# KiCad board pcb.kicad_pcb
title: Archer mainboard; date: 2021-05-05; rev: R0.1 draft; company: Copyright EI-2030 2021. / Engineer: Wenting Zhang; note: MERCHANTABILITY, SATISFACTORY QUALITY AND FITNESS FOR A PARTICULAR PURPOSE.; note: This source is distributed WITHOUT ANY EXPRESS OR IMPLIED WARRANTY, INCLUDING OF; note: This source describes Open Hardware and is licensed under the CERN-OHL-S v2.
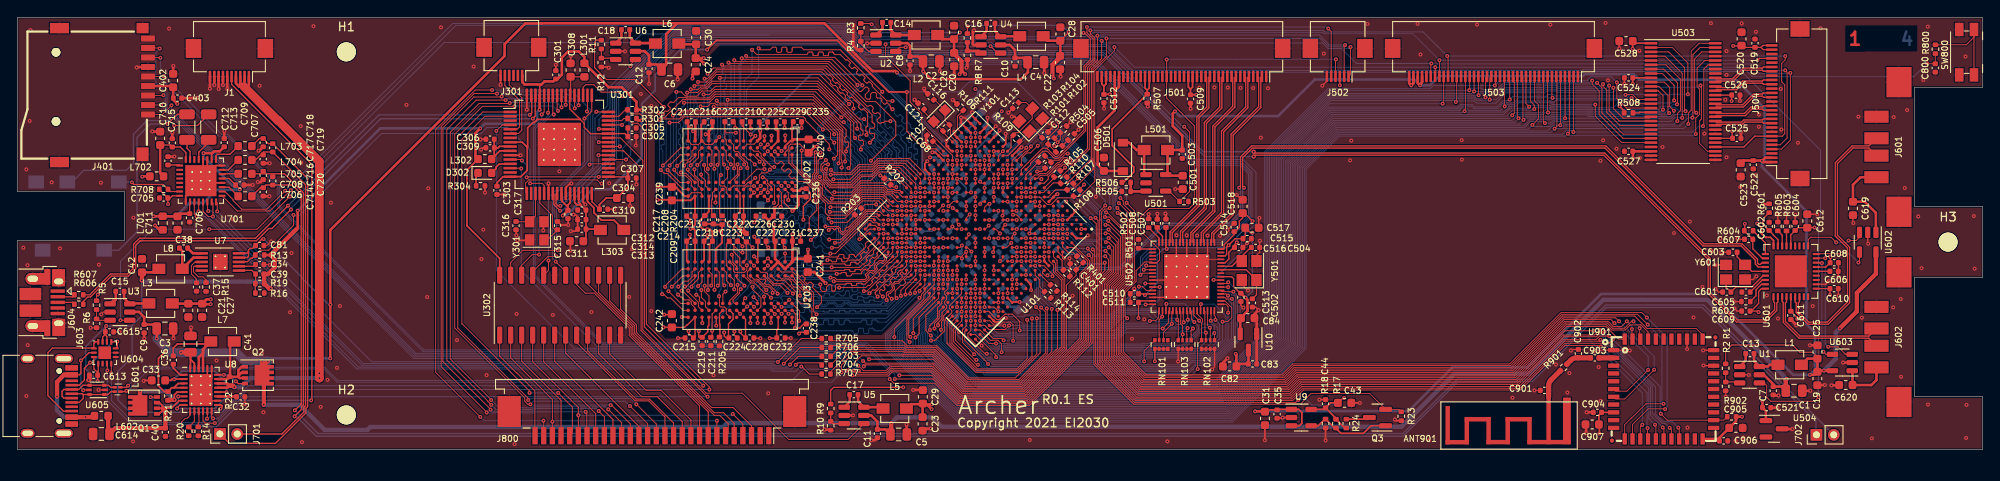
[diagram p0: board, top side]
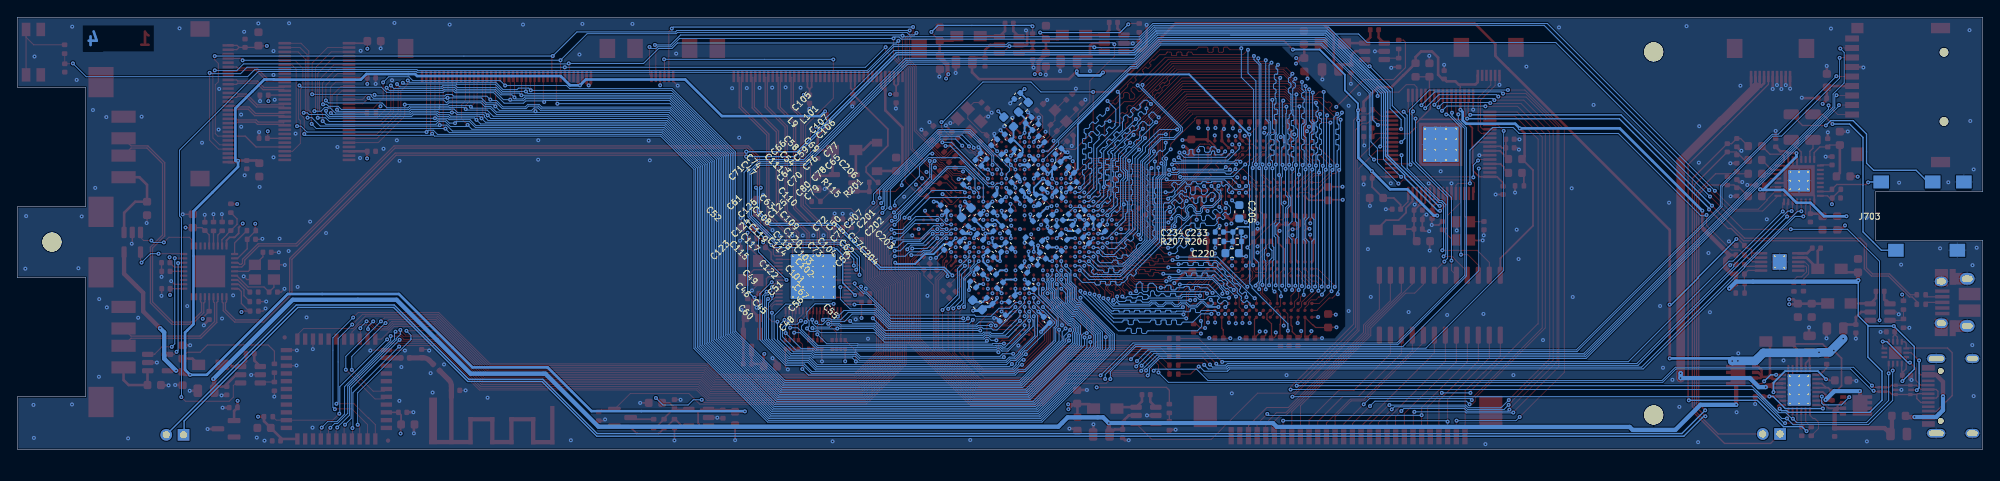
[diagram p1: board, bottom side, seen from below]

Outline 227 x 50 mm; copper layers: Top, In1.Cu (plane), In2.Cu, Bottom. Coordinates in mm from the lower left corner of the outline.
Outline path: 0,29.82 0,50 227,50 227,41.9 219.1,41.9 219.1,28.1 227,28.1 227,19.9 219.1,19.9 219.1,6.1 227,6.1 227,0 0,0 0,24.21 12.4,24.21 12.4,29.82 0,29.82
Stack: Top 0.035mm / dielectric 0.11mm FR4 er 4.2 / In1.Cu 0.035mm / dielectric 1.13mm FR4 er 4.2 / In2.Cu 0.035mm / dielectric 0.11mm FR4 er 4.2 / Bottom 0.035mm

## Placement (name value [footprint] x y rotation side)
ANT901  PCB_WIFI_ANT  [bt_antenna_1ant_2gnd]  180.17 5.51 180 top
C1  4.7uF/25V  [C_0805_2012Metric]  205.21 6.8 180 top
C2  4.7uF/25V  [C_0805_2012Metric]  105.56 44.9 180 top
C3  4.7uF/25V  [C_0805_2012Metric]  17.05 14 180 top
C4  4.7uF/25V  [C_0805_2012Metric]  117.64 44.81 180 top
C5  4.7uF/25V  [C_0805_2012Metric]  101.79 1.74 180 top
C6  4.7uF/25V  [C_0805_2012Metric]  75.35 43.96 180 top
C7  100nF  [C_0402_1005Metric]  202.81 6.8 90 top
C8  100nF  [C_0402_1005Metric]  103.11 44.98 90 top
C9  100nF  [C_0402_1005Metric]  14.65 13.98 90 top
C10  100nF  [C_0402_1005Metric]  115.24 44.83 90 top
C11  100nF  [C_0402_1005Metric]  99.34 1.84 90 top
C12  100nF  [C_0402_1005Metric]  72.95 44.06 90 top
C13  100nF  [C_0402_1005Metric]  200.11 11.1 180 top
C14  100nF  [C_0402_1005Metric]  100.41 49.4 180 top
C15  100nF  [C_0402_1005Metric]  11.85 18.3 180 top
C16  100nF  [C_0402_1005Metric]  112.44 49.31 180 top
C17  100nF  [C_0402_1005Metric]  96.62 6.34 180 top
C18  100nF  [C_0402_1005Metric]  70.25 48.56 180 top
C19  10uF  [C_0603_1608Metric]  207.91 8.21 90 top
C20  10uF  [C_0603_1608Metric]  108.21 45.11 90 top
C21  10uF  [C_0603_1608Metric]  19.75 16.1 90 top
C22  10uF  [C_0603_1608Metric]  120.44 44.77 90 top
C23  10uF  [C_0603_1608Metric]  104.56 2.96 90 top
C24  10uF  [C_0603_1608Metric]  78.36 44.51 90 top
C25  10uF  [C_0603_1608Metric]  207.92 11.29 270 top
C26  10uF  [C_0603_1608Metric]  108.19 48.25 270 top
C27  10uF  [C_0603_1608Metric]  21.35 16.1 90 top
C28  10uF  [C_0603_1608Metric]  120.47 48.06 270 top
C29  10uF  [C_0603_1608Metric]  104.59 6.1 270 top
C30  10uF  [C_0603_1608Metric]  78.41 47.65 270 top
C31  10uF  [C_0603_1608Metric]  144.1 3.6 270 top
C32  1uF  [C_0402_1005Metric]  25.8 6.1 180 top
C33  4.7uF  [C_0603_1608Metric]  16.3 8 0 top
C34  10nF  [C_0402_1005Metric]  28 21.4 180 top
C35  100nF  [C_0402_1005Metric]  145.5 4.1 270 top
C36  22nF  [C_0402_1005Metric]  18.01 10.35 90 top
C37  100nF  [C_0402_1005Metric]  20.7 18.8 90 top
C38  100nF  [C_0402_1005Metric]  19.2 23.3 0 top
C39  10pF  [C_0402_1005Metric]  28 20.3 180 top
C40  100nF  [C_0402_1005Metric]  17.1 2 90 top
C41  10uF/25V  [C_0805_2012Metric]  20 12.2 270 top
C42  10uF  [C_0603_1608Metric]  14.4 21.28 270 top
C43  4.7uF  [C_0603_1608Metric]  153.3 5.4 0 top
C44  100nF  [C_0402_1005Metric]  151.1 5.3 90 top
C45  220nF  [C_0402_1005Metric]  114.7 17.2 45 bottom
C46  220nF  [C_0402_1005Metric]  116.6 19.1 45 bottom
C47  220nF  [C_0402_1005Metric]  116 33.16 45 bottom
C48  220nF  [C_0402_1005Metric]  113.2 15.2 315 bottom
C49  220nF  [C_0402_1005Metric]  115.8 20.6 45 bottom
C50  220nF  [C_0402_1005Metric]  107.8 26.8 315 bottom
C51  220nF  [C_0402_1005Metric]  113.5 19 135 bottom
C52  220nF  [C_0402_1005Metric]  120 27.9 45 bottom
C53  220nF  [C_0402_1005Metric]  106.71 22.63 315 bottom
C54  220nF  [C_0402_1005Metric]  111.5 34.4 45 bottom
C55  220nF  [C_0402_1005Metric]  108.1 15 225 bottom
C56  220nF  [C_0402_1005Metric]  112.15 17.45 315 bottom
C57  220nF  [C_0402_1005Metric]  104.8 25.6 45 bottom
C58  2.2uF  [C_0402_1005Metric]  112.6 36.1 45 bottom
C59  220nF  [C_0402_1005Metric]  109.9 33.2 135 bottom
C60  22uF  [C_0603_1608Metric]  116.11 16.73 45 bottom
C61  22uF  [C_0603_1608Metric]  117.4 27.4 135 bottom
C62  220nF  [C_0402_1005Metric]  106.1 24.6 225 bottom
C63  220nF  [C_0402_1005Metric]  113.7 29.1 45 bottom
C64  220nF  [C_0402_1005Metric]  111.84 31.26 135 bottom
C65  220nF  [C_0402_1005Metric]  106.86 32.94 315 bottom
C66  220nF  [C_0402_1005Metric]  114.16 35.54 315 bottom
C67  220nF  [C_0402_1005Metric]  109.9 18.9 45 bottom
C68  2.2uF  [C_0402_1005Metric]  105.4 36 315 top
C69  2.2uF  [C_0402_1005Metric]  108.7 35.9 45 bottom
C70  2.2uF  [C_0402_1005Metric]  110.64 30.26 135 bottom
C71  220nF  [C_0402_1005Metric]  117.4 31 135 bottom
C72  220nF  [C_0402_1005Metric]  109.35 26.75 315 bottom
C73  220nF  [C_0402_1005Metric]  108.3 23.8 45 bottom
C74  220nF  [C_0402_1005Metric]  115.39 33.96 45 bottom
C75  220nF  [C_0402_1005Metric]  107.3 25.5 315 bottom
C76  220nF  [C_0402_1005Metric]  108.84 32.16 135 bottom
C77  2.2uF  [C_0402_1005Metric]  106.75 34.5 315 bottom
C78  220nF  [C_0402_1005Metric]  108.3 30.5 135 bottom
C79  220nF  [C_0402_1005Metric]  108.67 28.72 135 bottom
C80  2.2uF  [C_0402_1005Metric]  109.65 29.15 135 bottom
C81  1uF  [C_0402_1005Metric]  28 23.6 180 top
C82  10uF  [C_0603_1608Metric]  140.02 9.61 180 top
C83  100nF  [C_0402_1005Metric]  142.66 9.9 0 top
C84  10uF  [C_0603_1608Metric]  142.11 15.2 0 top
C101  220nF  [C_0402_1005Metric]  110.7 20.8 45 bottom
C102  220nF  [C_0402_1005Metric]  109.5 21.7 45 bottom
C103  220nF  [C_0402_1005Metric]  110.2 24.2 45 bottom
C104  2.2uF  [C_0402_1005Metric]  108.56 22.43 225 bottom
C105  220nF  [C_0402_1005Metric]  111.5 40.9 315 bottom
C106  220nF  [C_0402_1005Metric]  109.4 37.3 135 bottom
C107  2.2uF  [C_0402_1005Metric]  110.2 38.1 135 bottom
C108  220nF  [C_0402_1005Metric]  114.6 27.8 45 bottom
C109  220nF  [C_0402_1005Metric]  112.9 25.5 225 bottom
C110  2.2uF  [C_0402_1005Metric]  112 29.4 45 bottom
C111  220nF  [C_0402_1005Metric]  113 33.8 45 bottom
C112  18pF  [C_0402_1005Metric]  118.7 36.4 45 top
C113  18pF  [C_0402_1005Metric]  115.3 39.8 225 top
C114  220nF  [C_0402_1005Metric]  114.6 22.6 225 bottom
C115  220nF  [C_0402_1005Metric]  117.8 23.7 45 bottom
C116  DNP/18pF  [C_0402_1005Metric]  105.5 40.8 135 top
C117  220nF  [C_0402_1005Metric]  115.8 24.6 45 bottom
C118  220nF  [C_0402_1005Metric]  113.7 23.2 225 bottom
C119  2.2uF  [C_0402_1005Metric]  114.6 25.6 45 bottom
C120  2.2uF  [C_0402_1005Metric]  112.5 23.6 225 bottom
C121  DNP/18pF  [C_0402_1005Metric]  104.4 39.7 135 top
C122  220nF  [C_0402_1005Metric]  114.3 20.6 225 bottom
C123  220nF  [C_0402_1005Metric]  119.6 23.44 315 bottom
C124  220nF  [C_0402_1005Metric]  117.5 25.5 315 bottom
C125  220nF  [C_0402_1005Metric]  112.6 27.3 135 bottom
C126  2.2uF  [C_0402_1005Metric]  116.1 26.9 135 bottom
C201  220nF  [C_0402_1005Metric]  104.06 27.34 315 bottom
C202  220nF  [C_0402_1005Metric]  103.1 26.4 315 bottom
C203  220nF  [C_0402_1005Metric]  101.7 25.6 45 bottom
C204  220nF  [C_0402_1005Metric]  103.56 24.2 45 bottom
C205  22uF  [C_0603_1608Metric]  85.86 27.5 270 bottom
C206  100nF  [C_0402_1005Metric]  105.28 32.37 45 bottom
C207  220nF  [C_0402_1005Metric]  105.91 26.87 315 bottom
C208  220nF  [C_0402_1005Metric]  80.4 26.58 270 top
C209  220nF  [C_0402_1005Metric]  84.2 24.5 90 top
C210  220nF  [C_0402_1005Metric]  84.19 37.9 0 top
C211  220nF  [C_0402_1005Metric]  80.1 12.5 270 top
C212  220nF  [C_0402_1005Metric]  77.85 37.9 180 top
C213  220nF  [C_0402_1005Metric]  77.8 27 180 top
C214  220nF  [C_0402_1005Metric]  77.8 24.1 180 top
C215  220nF  [C_0402_1005Metric]  77.6 12.9 180 top
C216  220nF  [C_0402_1005Metric]  79.8 37.9 180 top
C217  220nF  [C_0402_1005Metric]  79.4 26.58 270 top
C218  220nF  [C_0402_1005Metric]  79.8 24.1 180 top
C219  220nF  [C_0402_1005Metric]  79.1 12.5 270 top
C220  4.7uF  [C_0603_1608Metric]  86.69 22.72 0 bottom
C221  220nF  [C_0402_1005Metric]  82.2 37.92 0 top
C222  220nF  [C_0402_1005Metric]  83.4 27 180 top
C223  220nF  [C_0402_1005Metric]  82.7 24.1 0 top
C224  220nF  [C_0402_1005Metric]  82.67 12.9 0 top
C225  220nF  [C_0402_1005Metric]  86.17 37.88 0 top
C226  220nF  [C_0402_1005Metric]  85.8 27 180 top
C227  220nF  [C_0402_1005Metric]  86 24.1 0 top
C228  220nF  [C_0402_1005Metric]  84.59 12.9 0 top
C229  220nF  [C_0402_1005Metric]  88.12 37.9 0 top
C230  220nF  [C_0402_1005Metric]  87.8 27 0 top
C231  220nF  [C_0402_1005Metric]  88 24.1 0 top
C232  220nF  [C_0402_1005Metric]  88.2 12.9 0 top
C233  100nF  [C_0402_1005Metric]  86.12 25.17 0 bottom
C234  100nF  [C_0402_1005Metric]  88.16 25.17 0 bottom
C235  220nF  [C_0402_1005Metric]  90.1 37.92 0 top
C236  220nF  [C_0402_1005Metric]  91.1 29.7 270 top
C237  220nF  [C_0402_1005Metric]  90 24.1 0 top
C238  220nF  [C_0402_1005Metric]  91.14 14.04 270 top
C239  22uF  [C_0603_1608Metric]  75.6 29.6 90 top
C240  22uF  [C_0603_1608Metric]  91.4 35.1 270 top
C241  22uF  [C_0603_1608Metric]  91.3 21.3 270 top
C242  22uF  [C_0603_1608Metric]  75.6 14.9 90 top
C301  100nF  [C_0402_1005Metric]  62.2 43.35 90 top
C302  100nF  [C_0402_1005Metric]  71 36.2 0 top
C303  100nF  [C_0402_1005Metric]  55.4 29.98 270 top
C304  22uF  [C_0603_1608Metric]  70.03 29.1 0 top
C305  100nF  [C_0402_1005Metric]  71 37.2 0 top
C306  100nF  [C_0402_1005Metric]  54.6 35.9 180 top
C307  100nF  [C_0402_1005Metric]  71 31.4 0 top
C308  10uF  [C_0603_1608Metric]  63.9 43.9 90 top
C309  2.2uF  [C_0402_1005Metric]  54.6 34.9 180 top
C310  47pF  [C_0402_1005Metric]  67.72 27.8 0 top
C311  22uF  [C_0603_1608Metric]  64.6 24.1 180 top
C312  47pF  [C_0402_1005Metric]  65.2 27.7 180 top
C313  100nF  [C_0402_1005Metric]  65.2 25.5 180 top
C314  2.2uF  [C_0402_1005Metric]  65.2 26.6 180 top
C315  18pF  [C_0402_1005Metric]  62.4 25.9 90 top
C316  18pF  [C_0402_1005Metric]  57.6 25.9 270 top
C317  100nF  [C_0402_1005Metric]  63.6 27.2 270 top
C401  18pF  [C_0402_1005Metric]  121.95 21.15 135 top
C402  22uF  [C_0603_1608Metric]  18 42.68 90 top
C403  100nF  [C_0402_1005Metric]  18.5 40.65 0 top
C501  10uF  [C_0603_1608Metric]  134.6 30.9 90 top
C502  18pF  [C_0402_1005Metric]  142.65 16.95 90 top
C503  100nF  [C_0402_1005Metric]  134.55 34.15 90 top
C504  18pF  [C_0402_1005Metric]  143.02 23.38 180 top
C505  220nF  [C_0402_1005Metric]  119.04 32.89 45 top
C506  1uF/35V  [C_0603_1608Metric]  125.5 33 270 top
C507  220nF  [C_0402_1005Metric]  132.67 26.17 90 top
C508  220nF  [C_0402_1005Metric]  131.67 26.17 90 top
C509  100nF  [C_0402_1005Metric]  135.5 40.55 270 top
C510  220nF  [C_0402_1005Metric]  129.02 18.02 180 top
C511  220nF  [C_0402_1005Metric]  129.02 17.02 180 top
C512  100nF  [C_0402_1005Metric]  125.5 40.6 270 top
C513  220nF  [C_0402_1005Metric]  141.32 17.6 270 top
C514  220nF  [C_0402_1005Metric]  140.55 25.69 90 top
C515  220nF  [C_0402_1005Metric]  142.05 24.39 0 top
C516  220nF  [C_0402_1005Metric]  141.08 23.37 0 top
C517  22uF  [C_0603_1608Metric]  142.6 25.66 0 top
C518  22uF  [C_0603_1608Metric]  141.53 28.12 90 top
C519  100nF  [C_0402_1005Metric]  200.7 47 90 top
C520  10uF/6.3V  [C_0603_1608Metric]  199.15 47.5 90 top
C521  100nF  [C_0402_1005Metric]  202.05 4.85 0 top
C522  100nF  [C_0402_1005Metric]  200.5 32.95 270 top
C523  10uF/6.3V  [C_0603_1608Metric]  199.05 32.35 270 top
C524  220nF  [C_0402_1005Metric]  186.1 43 180 top
C525  220nF  [C_0402_1005Metric]  198.6 36 0 top
C526  220nF  [C_0402_1005Metric]  198.5 41 0 top
C527  220nF  [C_0402_1005Metric]  186.1 34.5 180 top
C528  22uF  [C_0603_1608Metric]  185.8 47.25 180 top
C601  18pF  [C_0402_1005Metric]  197.44 18.21 0 top
C602  100nF  [C_0402_1005Metric]  202.34 25.81 90 top
C603  18pF  [C_0402_1005Metric]  198.15 22.82 0 top
C604  100nF  [C_0402_1005Metric]  205.34 25.81 90 top
C605  100nF  [C_0402_1005Metric]  199.66 18.21 180 top
C606  100nF  [C_0402_1005Metric]  209.84 20.61 0 top
C607  100nF  [C_0402_1005Metric]  199.97 24.32 180 top
C608  100nF  [C_0402_1005Metric]  209.86 21.61 0 top
C609  100nF  [C_0402_1005Metric]  199.64 16.01 180 top
C610  100nF  [C_0402_1005Metric]  209.84 18.61 0 top
C611  100nF  [C_0402_1005Metric]  204.84 15.51 270 top
C612  10uF/6.3V  [C_0603_1608Metric]  206.74 26.44 90 top
C613  100nF  [C_0402_1005Metric]  8.8 8.6 180 top
C614  10uF/25V  [C_0805_2012Metric]  9.7 1.8 180 top
C615  100nF  [C_0402_1005Metric]  10.64 13.61 0 top
C619  10uF/6.3V  [C_0603_1608Metric]  212.02 27.89 270 top
C620  10uF/6.3V  [C_0603_1608Metric]  211.19 7.46 180 top
C705  470nF  [C_0402_1005Metric]  16.9 29.1 180 top
C706  470nF  [C_0402_1005Metric]  19.9 26.8 270 top
C707  470nF  [C_0402_1005Metric]  23.9 35.5 90 top
C708  470nF  [C_0402_1005Metric]  25.7 30.6 0 top
C709  470nF  [C_0402_1005Metric]  17.9 35.48 90 top
C710  4.7uF  [C_0603_1608Metric]  16.5 36 90 top
C711  4.7uF  [C_0603_1608Metric]  18.5 26.2 270 top
C712  100uF  [C_1206_3216Metric]  19.6 37.3 90 top
C713  100uF  [C_1206_3216Metric]  22.1 37.3 90 top
C714  100nF  [C_0402_1005Metric]  28.4 29.8 90 top
C715  100nF  [C_0402_1005Metric]  17.4 33.4 90 top
C716  100nF  [C_0402_1005Metric]  28.4 31.7 90 top
C717  100nF  [C_0402_1005Metric]  28.4 33.6 90 top
C718  100nF  [C_0402_1005Metric]  28.4 35.5 90 top
C719  470nF  [C_0402_1005Metric]  29.5 34.9 270 top
C720  470nF  [C_0402_1005Metric]  29.5 31.08 270 top
C800  100nF  [C_0402_1005Metric]  221.52 44.14 90 top
C901  DNP  [C_0402_1005Metric]  176.38 6.84 0 top
C902  DNP  [C_0402_1005Metric]  180.3 11.1 270 top
C903  33pF/50V/5%  [C_0402_1005Metric]  182.2 10.6 180 top
C904  100nF  [C_0402_1005Metric]  182.5 4.3 180 top
C905  10uF  [C_0603_1608Metric]  198.5 2.5 0 top
C906  100nF  [C_0402_1005Metric]  197.08 1 0 top
C907  10uF  [C_0603_1608Metric]  181.9 2.9 180 top
D302  LED  [LED_0603_1608Metric]  54 32 0 top
D501  MBR0530  [D_SOD-123]  127.7 33.85 90 top
H1  MountingHole  [MountingHole_2.2mm_M2_DIN965]  38 46 0 top
H2  MountingHole  [MountingHole_2.2mm_M2_DIN965]  38 4 0 top
H3  MountingHole  [MountingHole_2.2mm_M2_DIN965]  223 24 0 top
J1  Conn_01x10_MountingPin  [Hirose_FH12-10S-0.5SH_1x10-1MP_P0.50mm_Horizontal]  24.5 45 180 top
J301  Conn_01x06_MountingPin  [Hirose_FH12-6S-0.5SH_1x06-1MP_P0.50mm_Horizontal]  57.06 45.13 180 top
J401  MICRO_SD(TFC-WPAPR-08)  [TFC-WPAPR-08]  7.72 41 180 top
J501  Conn_01x40_MountingPin  [Hirose_FH12-40S-0.5SH_1x40-1MP_P0.50mm_Horizontal]  134.5 45 180 top
J502  Conn_01x06_MountingPin  [Hirose_FH12-6S-0.5SH_1x06-1MP_P0.50mm_Horizontal]  152.5 45 180 top
J503  Conn_01x40_MountingPin  [Hirose_FH12-40S-0.5SH_1x40-1MP_P0.50mm_Horizontal]  170.5 45 180 top
J504  Conn_01x28_MountingPin  [Hirose_FH12-28S-0.5SH_1x28-1MP_P0.50mm_Horizontal]  204.5 40 90 top
J601  USB_A  [Connector_USB_905-562A2021S10100]  214.73 35 90 top
J602  USB_A  [Connector_USB_905-562A2021S10100]  214.73 13 90 top
J603  USB_C_Receptacle_USB2.0  [USB_C_Receptacle_HRO_TYPE-C-31-M-12]  2.24 6.2 270 top
J604  USB_B_Micro  [USB_Micro-B_Amphenol_10103594-0001LF_Horizontal]  2.9 17 270 top
J701  Conn_01x02  [PinHeader_1x02_P2.00mm_Vertical]  23.4 1.8 90 top
J702  Conn_01x02  [PinHeader_1x02_P2.00mm_Vertical]  207.8 1.7 90 top
J703  AudioJack3_SwitchT  [PJ-327E]  6.47 27 0 bottom
J800  Conn_01x28_MountingPin  [TE_2-84953-8_1x28-1MP_P1.0mm_Horizontal]  73.3 3.4 180 top
L1  4.7uH  [L_Vishay_IHLP-1212]  204.71 9.8 0 top
L2  4.7uH  [L_Vishay_IHLP-1212]  104.96 47.95 0 top
L3  4.7uH  [L_Vishay_IHLP-1212]  16.55 16.9 0 top
L4  4.7uH  [L_Vishay_IHLP-1212]  117.14 47.81 0 top
L5  4.7uH  [L_Vishay_IHLP-1212]  101.34 4.74 0 top
L6  4.7uH  [L_Vishay_IHLP-1212]  75.05 46.96 0 top
L7  6.8uH  [L_Vishay_IHLP-1212]  23.7 12.5 0 top
L8  10uH  [L_Vishay_IHLP-1212]  17.7 20.9 180 top
L9  120R  [L_0603_1608Metric]  112.5 37.9 225 bottom
L101  120R  [L_0603_1608Metric]  110.8 39.6 315 bottom
L301  120R  [L_0603_1608Metric]  65.5 43.9 270 top
L302  120R  [L_0603_1608Metric]  54 33.6 0 top
L303  4.7uH  [L_Vishay_IHLP-1212]  68.7 25.4 180 top
L501  22uH  [L_Vishay_IHLP-1212]  131.5 34.65 180 top
L601  EXC14CE900U  [L_CommonModeChoke_Panasonic_EXC14CE]  11.57 6.95 270 top
L602  120R  [L_0603_1608Metric]  9.7 3.9 180 top
L701  120R  [L_0603_1608Metric]  16.8 26.2 270 top
L702  120R  [L_0603_1608Metric]  16.1 31.6 180 top
L703  15uH  [L_0603_1608Metric]  26.3 35.1 0 top
L704  15uH  [L_0603_1608Metric]  26.3 33.5 0 top
L705  15uH  [L_0603_1608Metric]  26.3 31.9 0 top
L706  15uH  [L_0603_1608Metric]  26.3 29.3 0 top
Q1  FDMC8327L  [Diodes_PowerDI3333-8]  14.62 5.1 180 top
Q2  FDMC8327L  [Diodes_PowerDI3333-8]  27.8 8.6 0 top
Q3  2SK3018  [SOT-23]  157.1 3.7 180 top
R1  200K/1%  [R_0402_1005Metric]  197.31 9.4 90 top
R2  27K/1%  [R_0402_1005Metric]  197.31 7.3 90 top
R3  20K/1%  [R_0402_1005Metric]  97.42 48.77 90 top
R4  10K/1%  [R_0402_1005Metric]  97.42 46.71 90 top
R5  121K/1%  [R_0402_1005Metric]  9.15 16.7 90 top
R6  27K/1%  [R_0402_1005Metric]  9.15 14.6 90 top
R7  22.6K/1%  [R_0402_1005Metric]  109.74 47.61 90 top
R8  27K/1%  [R_0402_1005Metric]  109.74 45.61 90 top
R9  22.6K/1%  [R_0402_1005Metric]  93.94 4.74 90 top
R10  27K/1%  [R_0402_1005Metric]  93.94 2.74 90 top
R11  34.8K/1%  [R_0402_1005Metric]  67.45 46.85 90 top
R12  27K/1%  [R_0402_1005Metric]  67.45 44.76 90 top
R13  100K  [R_0402_1005Metric]  28 22.5 0 top
R14  63.4K  [R_0402_1005Metric]  20.9 2.1 270 top
R15  20K/1%  [R_0402_1005Metric]  21.8 18.8 90 top
R16  200K/1%  [R_0402_1005Metric]  28.01 18.1 180 top
R17  560K/1%  [R_0402_1005Metric]  152.3 3 270 top
R18  100K/1%  [R_0402_1005Metric]  151.1 3.01 270 top
R19  649K/1%  [R_0402_1005Metric]  28 19.2 180 top
R20  10K  [R_0402_1005Metric]  19.8 2.1 270 top
R21  0.016R  [R_0402_1005Metric]  17.4 6.2 270 top
R22  0.016R  [R_0402_1005Metric]  24.5 7.9 90 top
R23  100K  [R_0402_1005Metric]  159.85 3.85 270 top
R24  487K/1%  [R_0402_1005Metric]  153.5 3 90 top
R101  10K  [R_0402_1005Metric]  120.33 34.77 225 top
R102  DNP/10K  [R_0402_1005Metric]  121.73 36.17 225 top
R103  DNP/10K  [R_0402_1005Metric]  119.43 35.65 225 top
R104  10K  [R_0402_1005Metric]  120.83 37.05 225 top
R105  10K  [R_0402_1005Metric]  120.1 31.9 225 top
R106  100K/1%  [R_0402_1005Metric]  108.9 39.6 315 top
R107  10K  [R_0402_1005Metric]  121.6 30.4 225 top
R108  10K  [R_0402_1005Metric]  122.36 29.66 225 top
R109  1M  [R_0402_1005Metric]  115.4 36 315 top
R110  10K  [R_0402_1005Metric]  120.85 31.15 225 top
R111  DNP/4.75M  [R_0402_1005Metric]  107.3 37.2 45 top
R112  200/1%  [R_0402_1005Metric]  121.2 20.4 315 top
R113  10K  [R_0402_1005Metric]  119 17.9 315 top
R114  200/1%  [R_0402_1005Metric]  119.7 18.7 315 top
R115  4.7K/1%  [R_0402_1005Metric]  106.68 29.49 225 bottom
R201  240R 1%  [R_0402_1005Metric]  105.01 30.59 135 bottom
R202  10K  [R_0402_1005Metric]  100.5 31 315 top
R203  10K  [R_0402_1005Metric]  97.1 27.54 45 top
R204  240R 1%  [R_0402_1005Metric]  81.4 26.53 270 top
R205  240R 1%  [R_0402_1005Metric]  81.1 12.5 270 top
R206  1.5K/0.5%  [R_0402_1005Metric]  86.11 24.07 0 bottom
R207  1.5K/0.5%  [R_0402_1005Metric]  88.16 24.07 0 bottom
R301  10K  [R_0402_1005Metric]  71 38.3 180 top
R302  10K  [R_0402_1005Metric]  71 39.3 180 top
R304  1K  [R_0402_1005Metric]  53.5 30.5 0 top
R401  33  [R_0402_1005Metric]  122.75 22 135 top
R501  10K  [R_0402_1005Metric]  129.5 23.8 270 top
R502  10K  [R_0402_1005Metric]  130.67 26.17 270 top
R503  10K  [R_0402_1005Metric]  134.75 28.7 0 top
R504  49.9K/1%  [R_0402_1005Metric]  118.3 33.62 225 top
R505  10K  [R_0402_1005Metric]  128.08 29.86 180 top
R506  1K  [R_0402_1005Metric]  128.08 30.9 0 top
R507  3R  [R_0402_1005Metric]  130.5 40.6 270 top
R508  10K  [R_0402_1005Metric]  186.1 38.95 0 top
R601  100K  [R_0402_1005Metric]  202.34 27.91 270 top
R602  12K/1%  [R_0402_1005Metric]  199.64 17.11 180 top
R603  DNP  [R_0402_1005Metric]  204.34 25.8 90 top
R604  10K  [R_0402_1005Metric]  199.97 25.32 180 top
R605  DNP  [R_0402_1005Metric]  203.34 25.81 90 top
R606  22  [R_0402_1005Metric]  7.1 16.8 0 top
R607  22  [R_0402_1005Metric]  7.1 17.9 0 top
R703  22R  [R_0402_1005Metric]  93.44 10.78 180 top
R704  22R  [R_0402_1005Metric]  93.42 9.77 180 top
R705  22R  [R_0402_1005Metric]  93.43 12.84 180 top
R706  22R  [R_0402_1005Metric]  93.43 11.8 180 top
R707  22R  [R_0402_1005Metric]  93.41 8.73 180 top
R708  100K  [R_0402_1005Metric]  16.9 30.1 0 top
R800  1K  [R_0402_1005Metric]  221.54 46.31 270 top
R901  0R  [R_0402_1005Metric]  178.6 9.5 225 top
R902  10K  [R_0402_1005Metric]  198 3.8 180 top
RN101  10K  [R_Array_Convex_4x0402]  132.14 12.14 270 top
RN102  10K  [R_Array_Convex_4x0402]  137.54 12.14 90 top
RN103  10K  [R_Array_Convex_4x0402]  134.84 12.14 90 top
SW800  EVQPUJ02K  [Panasonic_EVQPUJ_EVQPUA]  225.14 45.96 270 top
U1  SY8120  [TSOT-23-6]  200.07 8.65 0 top
U2  SY8120  [TSOT-23-6]  100.32 47 0 top
U3  SY8120  [TSOT-23-6]  11.85 15.9 0 top
U4  SY8120  [TSOT-23-6]  112.44 46.81 0 top
U5  SY8120  [TSOT-23-6]  96.64 3.94 0 top
U6  SY8120  [TSOT-23-6]  70.25 46.06 0 top
U7  LT8606  [MSOP-10-1EP_3x3mm_P0.5mm_EP1.68x1.88mm_ThermalVias]  23.45 21.7 0 top
U8  LTC4162-F  [QFN-28-1EP_4x5mm_P0.5mm_EP2.65x3.65mm_ThermalVias]  21.2 6.9 0 top
U9  ADP123  [TSOT-23-5]  148.3 3.7 0 top
U10  XC6206P122MR  [SOT-23]  142.19 12.44 270 top
U101  MCIMX7S5EVM08SC  [BGA-541_25x25_19.0x19.0mm]  110.66 25.5 225 top
U202  MT41K256M16HA  [BGA-96_9.0x13.0mm_P0.8mm]  83.48 32.5 270 top
U203  MT41K256M16HA  [BGA-96_9.0x13.0mm_P0.8mm]  83.48 18.5 270 top
U301  LPC5500_FBD64  [LQFP-64-1EP_10x10mm_P0.5mm_EP5x5mm_ThermalVias]  62.6 35.3 0 top
U302  74LS154  [SO-24_5.3x15mm_P1.27mm]  62.7 16.7 90 top
U501  CAT4139  [SOT-23-5]  131.5 30.85 0 top
U502  SSD2828  [QFN-68-1EP_8x8mm_P0.4mm_EP5.2x5.2mm_ThermalVias]  135.07 20 270 top
U503  DS90C385A  [TSSOP-56_6.1x14mm_P0.5mm]  192.4 40.25 0 top
U504  SM351LT  [SOT-23]  202.9 2.4 0 top
U601  USB2514B_Bi  [QFN-36-1EP_6x6mm_P0.5mm_EP3.7x3.7mm]  204.84 20.61 90 top
U602  AP2171W  [SOT-23-5]  213.72 23.98 270 top
U603  AP2171W  [SOT-23-5]  210.79 10.06 180 top
U604  FUSB302BMPX  [WQFN-14-1EP_2.5x2.5mm_P0.5mm_EP1.45x1.45mm]  10.1 11.2 0 top
U605  USBLC6-2P6  [SOT-666]  9.2 6.9 180 top
U701  WM8960  [QFN-32-1EP_5x5mm_P0.5mm_EP3.6x3.6mm_ThermalVias]  21.2 31.1 0 top
U901  RTL8723BS  [RL-SM02BD(RTL8723BS)]  190.15 7 0 top
Y101  24MHz  [Oscillator_SMD_Abracon_ASE-4Pin_3.2x2.5mm]  117.06 38.13 45 top
Y102  32.768kHz  [Crystal_SMD_TXC_9HT11-2Pin_2.0x1.2mm_HandSoldering]  106.5 38.6 225 top
Y301  16MHz  [Oscillator_SMD_Abracon_ASE-4Pin_3.2x2.5mm]  60 25.3 90 top
Y501  24MHz  [Crystal_SMD_3225-4Pin_3.2x2.5mm]  142.27 20.7 90 top
Y601  24MHz  [Crystal_SMD_3225-4Pin_3.2x2.5mm]  198.46 20.51 0 top
